# Altium PCB 移动无线控制.PcbDoc (part 4 of 4)
Units mil, origin at the board's own origin, x right, y up, seen from the top; angles counter-clockwise.
Board outline 17007.87 x 11459.7 mil, 4 copper layers (Top Layer, GND, S2, Bottom Layer), stack 30.634 mil thick; 703 components, 716 nets, 1756 pads, 483 vias.
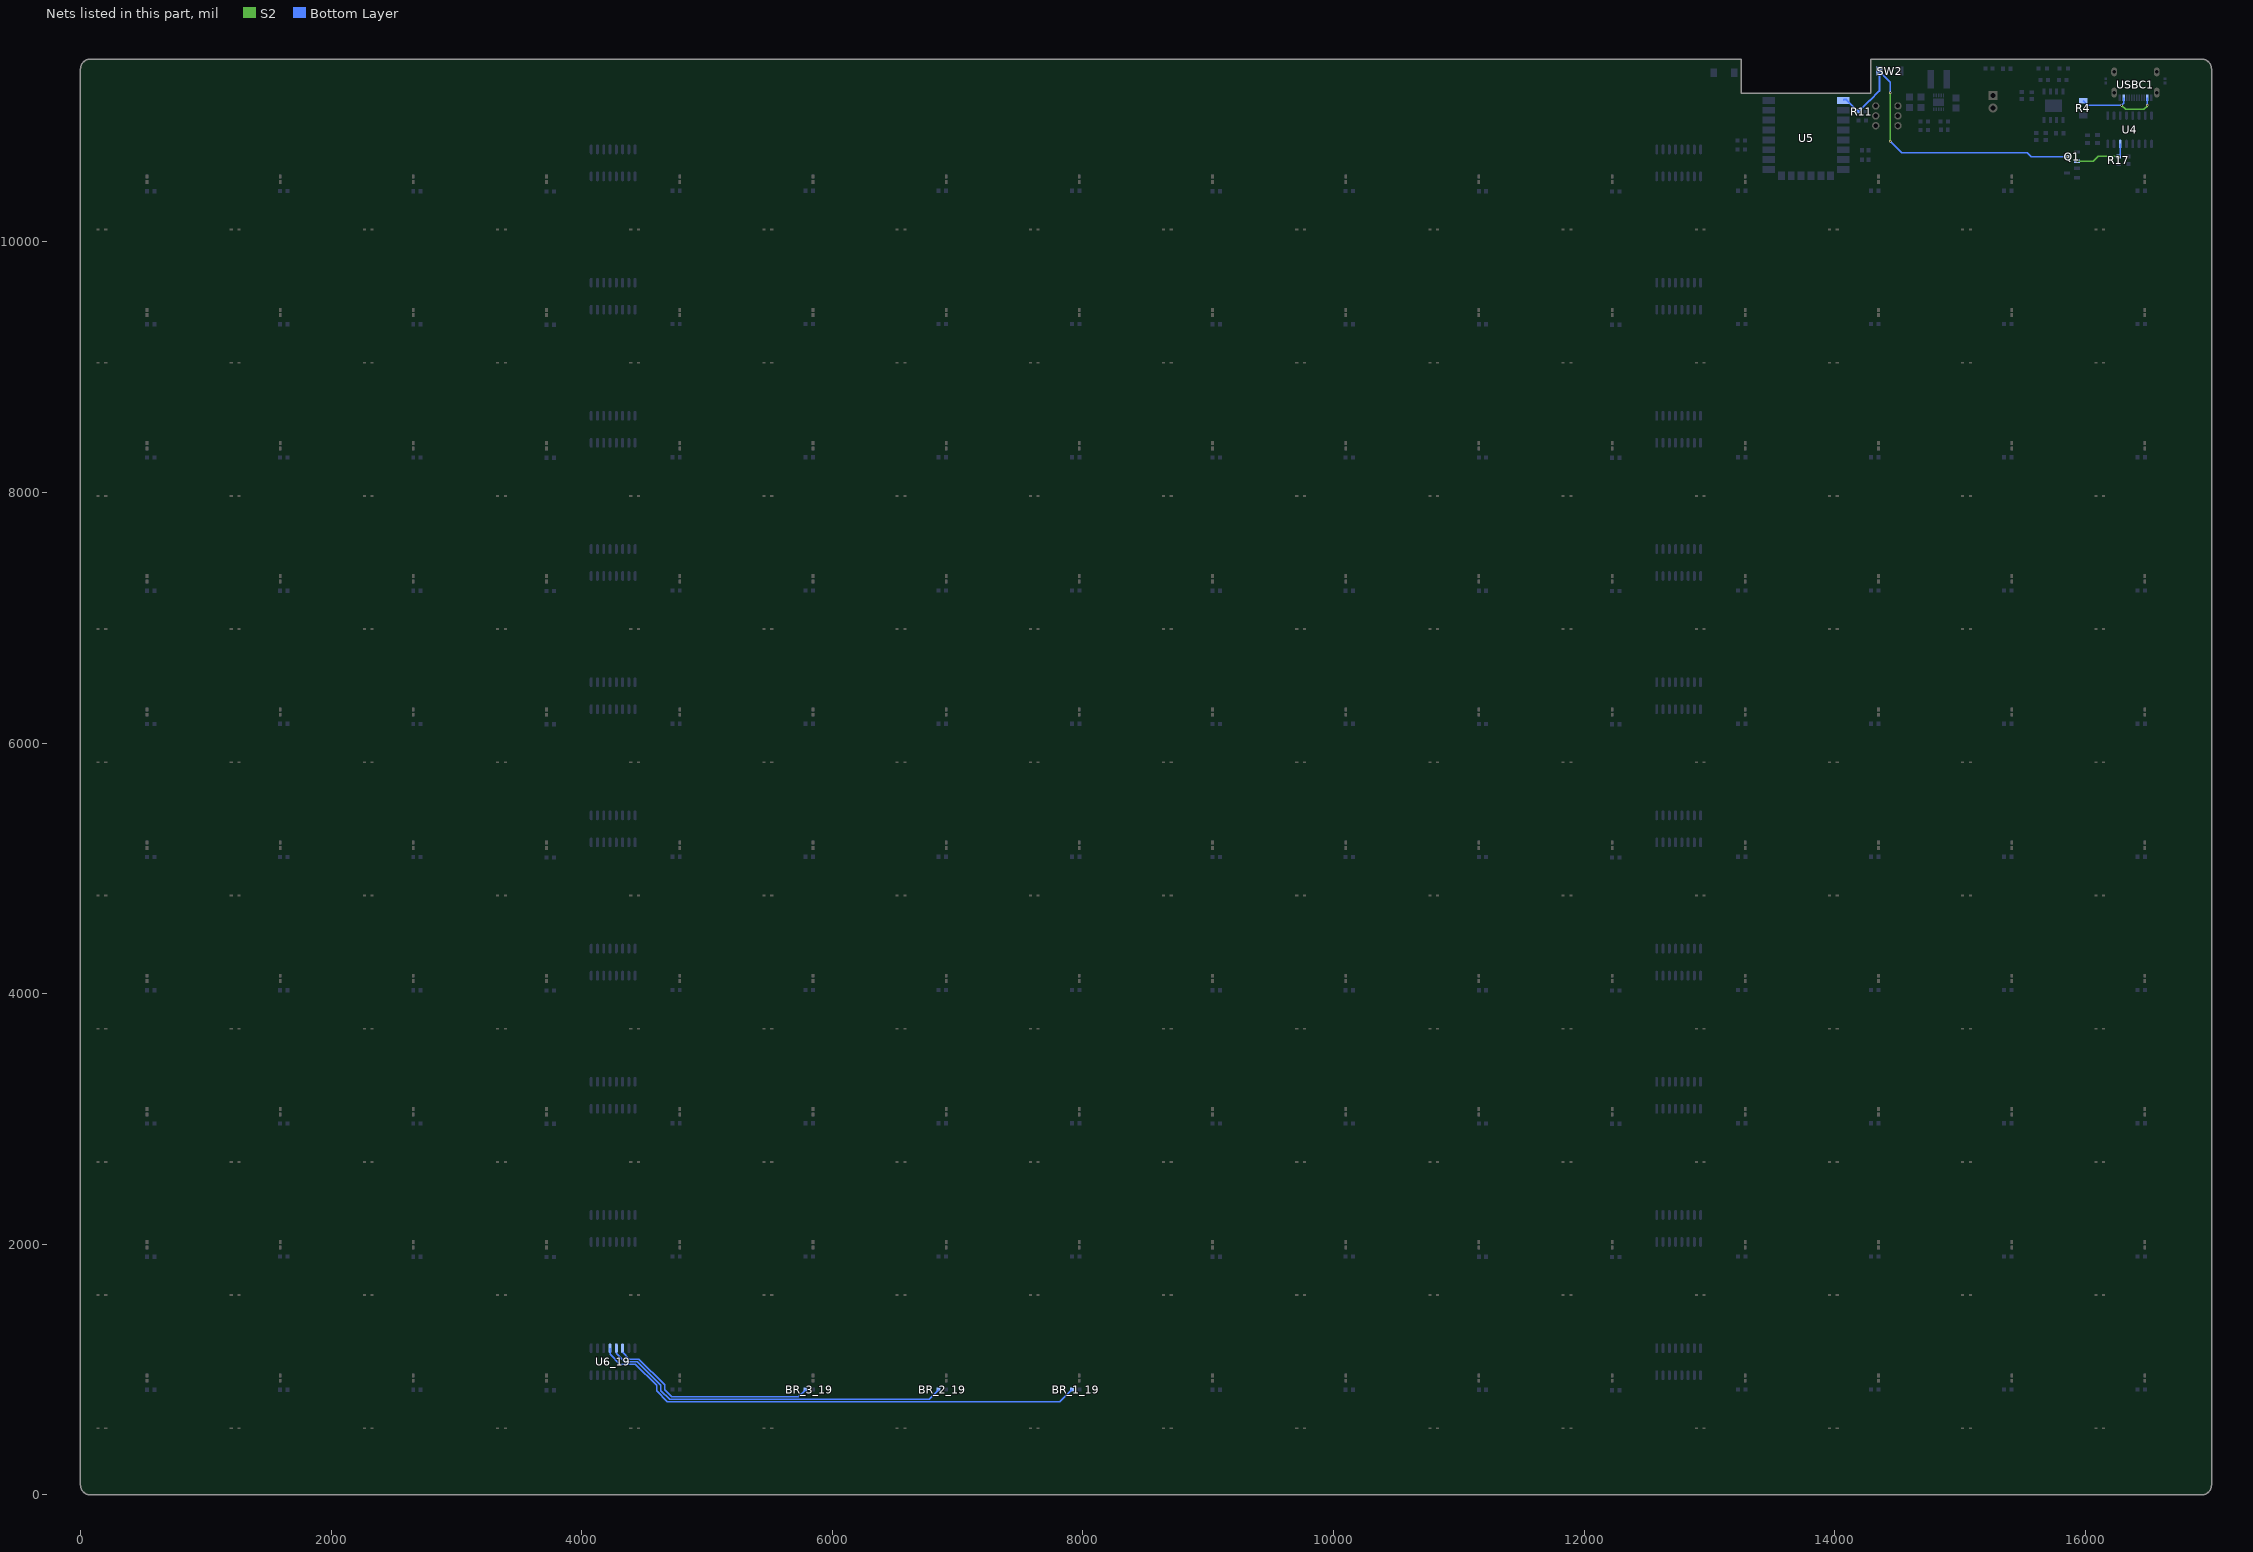
[diagram p6: the nets of this part, all layers, seen from the top]

## Via types
v1: diameter 19.68, hole 11.81, Top Layer to Bottom Layer, tented both sides, 320 vias
v2: diameter 17.72, hole 11.81, Top Layer to Bottom Layer, 146 vias
v3: diameter 19.68, hole 11.81, Top Layer to Bottom Layer, 17 vias

## Nets (pads, with @x,y where several pads share a name; then routed paths per layer and width w, separated by ;. In a path a pad name is that pad's centre, name@x,y a point inside that pad or via, vN(x,y) a via of type N, cw(c..) or ccw(c..) an arc to the next point about the centre after c; other vN are vias at no path point) (continued)
NewNet693: BR_3_19.2 U6_19.6 | length 1652.2
  Bottom Layer w10: U6_19.6@4326.16,1137.27 4380.16,1083.27 4457.26,1083.27 4661.56,878.97 4661.56,841.37 4718.86,784.07 5729.82,784.07 BR_3_19.2@5786.52,840.77
NewNet694: BR_2_19.2 U6_19.5 | length 2782.1
  Bottom Layer w10: 4276.16,1131.87 4344.36,1063.67 4444.16,1063.67 4632.06,875.77 4632.06,833.37 4701.06,764.37 6773.11,764.37 BR_2_19.2@6849.51,840.77
NewNet695: BR_1_19.2 U6_19.4 | length 3956.9
  Bottom Layer w10: U6_19.4@4226.16,1171.37 4226.16,1122.37 4304.86,1043.67 4428.66,1043.67 4598.86,873.47 4598.86,830.37 4684.66,744.57 7816.3,744.57 BR_1_19.2@7912.5,840.77
NewNet696: 
RST: Q1.3 R11.2 SW2.1 U5.1 | length 2614.3
  S2 w10: v3(14445.3,10805.3) v3(14445.3,11191)
  Bottom Layer w10: U5.1@14068.7,11129.6 U5.1@14074.9,11135.8 ; SW2.1@14357.21,11363.6 14445.3,11275.51 v3(14445.3,11191) ; v3(14445.3,10805.3) 14537.3,10713.3 15535.2,10713.3 15568.2,10680.3 v3(15855.93,10680.3)
  Bottom Layer w15: U5.1@14074.9,11135.8 14093.14,11135.8 R11.2@14188.44,11040.5 14276.34,11128.4 14280.3,11128.4 14357.21,11205.31 SW2.1@14357.21,11363.6
RTS#: Q1.2 R17.1 U4.14 | length 453.3
  S2 w10: v2(15934.67,10642.9) 16063,10642.9 16102.5,10682.4 16266.44,10682.4 v2(16266.8,10682.76)
  Bottom Layer w10: v2(16266.8,10682.76) 16279.3,10695.26 U4.14@16279.3,10782.21
VBUS: R4.1 USBC1.A4 USBC1.A9 | length 683
  S2 w10: v3(16289.3,11091.3) 16322.6,11058 16468.6,11058 16495.1,11084.5 v3(16495.1,11090.9)
  Bottom Layer w10: R4.1@15982.6,11126.7 16018,11091.3 v3(16289.3,11091.3) 16306.3,11108.3 USBC1.A4@16306.3,11150 ; v3(16495.1,11090.9) USBC1.A9@16495.1,11149.8
pads on no net: SW4.1 SW4.4 U4.7 U4.8 U4.9 U4.10 U4.11 U4.12 U4.15 U5.11 U5.17 U5.18 U5.19 U5.20 U5.21 U5.22 U6_1.9 U6_18.9 U6_19.14 U25.11 USBC1.0 USBC1.A8 USBC1.B8

## Polygon pours and split planes (outlines as drawn)
GND on GND "GND-2" (solid, remove dead copper, pour order 8): 18702.6,13136.8 18433.8,12868 18433.8,-1126.9 -1707.3,-1126.9 -2101.5,-1521.1 -2764.5,-858.1 -2764.5,13531
GND on Bottom Layer "GND-4" (solid, remove dead copper, pour order 10): 17591.6,12885.9 17591.6,-517.5 17878.4,-804.3 17842.5,-840.2 -1922.3,-840.2 -1922.3,12850 -2531.6,13459.3

## Keep-outs
Keep-Out Layer:
  circle w0.79: c16885.92,11337.11 r43.31
  circle w0.79: c122.59,11337.75 r43.31
  circle w0.79: c16885.28,121.95 r43.31
  circle w0.79: c121.95,122.39 r43.31
  lines w0.5: 0,78.74 ccw(c78.74,78.74) 78.74,0 16929.13,0 ccw(c16929.13,78.74) 17007.87,78.74 17007.87,11380.96 ccw(c16929.13,11380.96) 16929.13,11459.7 14288.15,11459.7 14288.15,11188.1 14091.3,11188.1 13451.3,11188.1 13254.45,11188.1 13254.45,11449.7 13254.45,11459.7 78.74,11459.7 ccw(c78.74,11380.96) 0,11380.96 0,78.74

## Other copper
Top Layer:
  drawing of 480 lines, arcs and shapes, not listed
Bottom Layer:
  region net NewNet318: 16462.6,10507.87 16462.6,10586.61 cw(c16476.38,10586.61) 16476.38,10600.39 cw(c16476.38,10586.61) 16490.16,10586.61 16490.16,10507.87
  region net NewNet298: 15399.61,10507.87 15399.61,10586.61 cw(c15413.39,10586.61) 15413.39,10600.39 cw(c15413.39,10586.61) 15427.17,10586.61 15427.17,10507.87
  region net NewNet278: 14336.61,10507.87 14336.61,10586.61 cw(c14350.39,10586.61) 14350.39,10600.39 cw(c14350.39,10586.61) 14364.17,10586.61 14364.17,10507.87
  region net NewNet258: 13273.62,10507.87 13273.62,10586.61 cw(c13287.4,10586.61) 13287.4,10600.39 cw(c13287.4,10586.61) 13301.18,10586.61 13301.18,10507.87
  region net NewNet238: 12211.42,10510.46 12211.42,10589.2 cw(c12225.2,10589.2) 12225.2,10602.98 cw(c12225.2,10589.2) 12238.98,10589.2 12238.98,10510.46
  region net NewNet219: 11147.64,10507.87 11147.64,10586.61 cw(c11161.42,10586.61) 11161.42,10600.39 cw(c11161.42,10586.61) 11175.2,10586.61 11175.2,10507.87
  region net NewNet199: 10084.65,10507.87 10084.65,10586.61 cw(c10098.43,10586.61) 10098.43,10600.39 cw(c10098.43,10586.61) 10112.2,10586.61 10112.2,10507.87
  region net NewNet179: 9021.65,10507.87 9021.65,10586.61 cw(c9035.43,10586.61) 9035.43,10600.39 cw(c9035.43,10586.61) 9049.21,10586.61 9049.21,10507.87
  region net NewNet319: 517.72,10507.87 517.72,10586.61 cw(c531.5,10586.61) 531.5,10600.39 cw(c531.5,10586.61) 545.28,10586.61 545.28,10507.87
  region net NewNet39: 1580.71,10507.87 1580.71,10586.61 cw(c1594.49,10586.61) 1594.49,10600.39 cw(c1594.49,10586.61) 1608.27,10586.61 1608.27,10507.87
  region net NewNet59: 2643.7,10507.87 2643.7,10586.61 cw(c2657.48,10586.61) 2657.48,10600.39 cw(c2657.48,10586.61) 2671.26,10586.61 2671.26,10507.87
  region net NewNet79: 3707.48,10510.46 3707.48,10589.2 cw(c3721.26,10589.2) 3721.26,10602.98 cw(c3721.26,10589.2) 3735.04,10589.2 3735.04,10510.46
  region net NewNet99: 4769.69,10507.87 4769.69,10586.61 cw(c4783.46,10586.61) 4783.46,10600.39 cw(c4783.46,10586.61) 4797.24,10586.61 4797.24,10507.87
  region net NewNet119: 5832.68,10507.87 5832.68,10586.61 cw(c5846.46,10586.61) 5846.46,10600.39 cw(c5846.46,10586.61) 5860.24,10586.61 5860.24,10507.87
  region net NewNet139: 6895.67,10507.87 6895.67,10586.61 cw(c6909.45,10586.61) 6909.45,10600.39 cw(c6909.45,10586.61) 6923.23,10586.61 6923.23,10507.87
  region net NewNet159: 7958.66,10507.87 7958.66,10586.61 cw(c7972.44,10586.61) 7972.44,10600.39 cw(c7972.44,10586.61) 7986.22,10586.61 7986.22,10507.87
  region net NewNet177: 9021.65,9444.88 9021.65,9523.62 cw(c9035.43,9523.62) 9035.43,9537.4 cw(c9035.43,9523.62) 9049.21,9523.62 9049.21,9444.88
  region net NewNet197: 10084.65,9444.88 10084.65,9523.62 cw(c10098.43,9523.62) 10098.43,9537.4 cw(c10098.43,9523.62) 10112.2,9523.62 10112.2,9444.88
  region net NewNet217: 11147.64,9444.88 11147.64,9523.62 cw(c11161.42,9523.62) 11161.42,9537.4 cw(c11161.42,9523.62) 11175.2,9523.62 11175.2,9444.88
  region net NewNet237: 12211.42,9447.47 12211.42,9526.21 cw(c12225.2,9526.21) 12225.2,9539.99 cw(c12225.2,9526.21) 12238.98,9526.21 12238.98,9447.47
  region net NewNet256: 13273.62,9444.88 13273.62,9523.62 cw(c13287.4,9523.62) 13287.4,9537.4 cw(c13287.4,9523.62) 13301.18,9523.62 13301.18,9444.88
  region net NewNet276: 14336.61,9444.88 14336.61,9523.62 cw(c14350.39,9523.62) 14350.39,9537.4 cw(c14350.39,9523.62) 14364.17,9523.62 14364.17,9444.88
  region net NewNet296: 15399.61,9444.88 15399.61,9523.62 cw(c15413.39,9523.62) 15413.39,9537.4 cw(c15413.39,9523.62) 15427.17,9523.62 15427.17,9444.88
  region net NewNet316: 16462.6,9444.88 16462.6,9523.62 cw(c16476.38,9523.62) 16476.38,9537.4 cw(c16476.38,9523.62) 16490.16,9523.62 16490.16,9444.88
  region net NewNet3: 517.72,9444.88 517.72,9523.62 cw(c531.5,9523.62) 531.5,9537.4 cw(c531.5,9523.62) 545.28,9523.62 545.28,9444.88
  region net NewNet37: 1580.71,9444.88 1580.71,9523.62 cw(c1594.49,9523.62) 1594.49,9537.4 cw(c1594.49,9523.62) 1608.27,9523.62 1608.27,9444.88
  region net NewNet57: 2643.7,9444.88 2643.7,9523.62 cw(c2657.48,9523.62) 2657.48,9537.4 cw(c2657.48,9523.62) 2671.26,9523.62 2671.26,9444.88
  region net NewNet77: 3707.48,9447.47 3707.48,9526.21 cw(c3721.26,9526.21) 3721.26,9539.99 cw(c3721.26,9526.21) 3735.04,9526.21 3735.04,9447.47
  region net NewNet97: 4769.69,9444.88 4769.69,9523.62 cw(c4783.46,9523.62) 4783.46,9537.4 cw(c4783.46,9523.62) 4797.24,9523.62 4797.24,9444.88
  region net NewNet117: 5832.68,9444.88 5832.68,9523.62 cw(c5846.46,9523.62) 5846.46,9537.4 cw(c5846.46,9523.62) 5860.24,9523.62 5860.24,9444.88
  region net NewNet137: 6895.67,9444.88 6895.67,9523.62 cw(c6909.45,9523.62) 6909.45,9537.4 cw(c6909.45,9523.62) 6923.23,9523.62 6923.23,9444.88
  region net NewNet157: 7958.66,9444.88 7958.66,9523.62 cw(c7972.44,9523.62) 7972.44,9537.4 cw(c7972.44,9523.62) 7986.22,9523.62 7986.22,9444.88
  region net NewNet176: 9021.65,8381.89 9021.65,8460.63 cw(c9035.43,8460.63) 9035.43,8474.41 cw(c9035.43,8460.63) 9049.21,8460.63 9049.21,8381.89
  region net NewNet196: 10084.65,8381.89 10084.65,8460.63 cw(c10098.43,8460.63) 10098.43,8474.41 cw(c10098.43,8460.63) 10112.2,8460.63 10112.2,8381.89
  region net NewNet216: 11147.64,8381.89 11147.64,8460.63 cw(c11161.42,8460.63) 11161.42,8474.41 cw(c11161.42,8460.63) 11175.2,8460.63 11175.2,8381.89
  region net NewNet236: 12211.42,8384.48 12211.42,8463.22 cw(c12225.2,8463.22) 12225.2,8477 cw(c12225.2,8463.22) 12238.98,8463.22 12238.98,8384.48
  region net NewNet255: 13273.62,8381.89 13273.62,8460.63 cw(c13287.4,8460.63) 13287.4,8474.41 cw(c13287.4,8460.63) 13301.18,8460.63 13301.18,8381.89
  region net NewNet275: 14336.61,8381.89 14336.61,8460.63 cw(c14350.39,8460.63) 14350.39,8474.41 cw(c14350.39,8460.63) 14364.17,8460.63 14364.17,8381.89
  region net NewNet295: 15399.61,8381.89 15399.61,8460.63 cw(c15413.39,8460.63) 15413.39,8474.41 cw(c15413.39,8460.63) 15427.17,8460.63 15427.17,8381.89
  region net NewNet315: 16462.6,8381.89 16462.6,8460.63 cw(c16476.38,8460.63) 16476.38,8474.41 cw(c16476.38,8460.63) 16490.16,8460.63 16490.16,8381.89
  region net NewNet5: 517.72,8381.89 517.72,8460.63 cw(c531.5,8460.63) 531.5,8474.41 cw(c531.5,8460.63) 545.28,8460.63 545.28,8381.89
  region net NewNet36: 1580.71,8381.89 1580.71,8460.63 cw(c1594.49,8460.63) 1594.49,8474.41 cw(c1594.49,8460.63) 1608.27,8460.63 1608.27,8381.89
  region net NewNet56: 2643.7,8381.89 2643.7,8460.63 cw(c2657.48,8460.63) 2657.48,8474.41 cw(c2657.48,8460.63) 2671.26,8460.63 2671.26,8381.89
  region net NewNet76: 3707.48,8384.48 3707.48,8463.22 cw(c3721.26,8463.22) 3721.26,8477 cw(c3721.26,8463.22) 3735.04,8463.22 3735.04,8384.48
  region net NewNet96: 4769.69,8381.89 4769.69,8460.63 cw(c4783.46,8460.63) 4783.46,8474.41 cw(c4783.46,8460.63) 4797.24,8460.63 4797.24,8381.89
  region net NewNet116: 5832.68,8381.89 5832.68,8460.63 cw(c5846.46,8460.63) 5846.46,8474.41 cw(c5846.46,8460.63) 5860.24,8460.63 5860.24,8381.89
  region net NewNet136: 6895.67,8381.89 6895.67,8460.63 cw(c6909.45,8460.63) 6909.45,8474.41 cw(c6909.45,8460.63) 6923.23,8460.63 6923.23,8381.89
  region net NewNet156: 7958.66,8381.89 7958.66,8460.63 cw(c7972.44,8460.63) 7972.44,8474.41 cw(c7972.44,8460.63) 7986.22,8460.63 7986.22,8381.89
  region net NewNet175: 9021.65,7318.9 9021.65,7397.64 cw(c9035.43,7397.64) 9035.43,7411.42 cw(c9035.43,7397.64) 9049.21,7397.64 9049.21,7318.9
  region net NewNet195: 10084.65,7318.9 10084.65,7397.64 cw(c10098.43,7397.64) 10098.43,7411.42 cw(c10098.43,7397.64) 10112.2,7397.64 10112.2,7318.9
  region net NewNet215: 11147.64,7318.9 11147.64,7397.64 cw(c11161.42,7397.64) 11161.42,7411.42 cw(c11161.42,7397.64) 11175.2,7397.64 11175.2,7318.9
  region net NewNet235: 12211.42,7321.48 12211.42,7400.22 cw(c12225.2,7400.22) 12225.2,7414 cw(c12225.2,7400.22) 12238.98,7400.22 12238.98,7321.48
  region net NewNet254: 13273.62,7318.9 13273.62,7397.64 cw(c13287.4,7397.64) 13287.4,7411.42 cw(c13287.4,7397.64) 13301.18,7397.64 13301.18,7318.9
  region net NewNet274: 14336.61,7318.9 14336.61,7397.64 cw(c14350.39,7397.64) 14350.39,7411.42 cw(c14350.39,7397.64) 14364.17,7397.64 14364.17,7318.9
  region net NewNet294: 15399.61,7318.9 15399.61,7397.64 cw(c15413.39,7397.64) 15413.39,7411.42 cw(c15413.39,7397.64) 15427.17,7397.64 15427.17,7318.9
  region net NewNet314: 16462.6,7318.9 16462.6,7397.64 cw(c16476.38,7397.64) 16476.38,7411.42 cw(c16476.38,7397.64) 16490.16,7397.64 16490.16,7318.9
  region net NewNet7: 517.72,7318.9 517.72,7397.64 cw(c531.5,7397.64) 531.5,7411.42 cw(c531.5,7397.64) 545.28,7397.64 545.28,7318.9
  region net NewNet35: 1580.71,7318.9 1580.71,7397.64 cw(c1594.49,7397.64) 1594.49,7411.42 cw(c1594.49,7397.64) 1608.27,7397.64 1608.27,7318.9
  region net NewNet55: 2643.7,7318.9 2643.7,7397.64 cw(c2657.48,7397.64) 2657.48,7411.42 cw(c2657.48,7397.64) 2671.26,7397.64 2671.26,7318.9
  region net NewNet75: 3707.48,7321.48 3707.48,7400.22 cw(c3721.26,7400.22) 3721.26,7414 cw(c3721.26,7400.22) 3735.04,7400.22 3735.04,7321.48
  region net NewNet95: 4769.69,7318.9 4769.69,7397.64 cw(c4783.46,7397.64) 4783.46,7411.42 cw(c4783.46,7397.64) 4797.24,7397.64 4797.24,7318.9
  region net NewNet115: 5832.68,7318.9 5832.68,7397.64 cw(c5846.46,7397.64) 5846.46,7411.42 cw(c5846.46,7397.64) 5860.24,7397.64 5860.24,7318.9
  region net NewNet135: 6895.67,7318.9 6895.67,7397.64 cw(c6909.45,7397.64) 6909.45,7411.42 cw(c6909.45,7397.64) 6923.23,7397.64 6923.23,7318.9
  region net NewNet155: 7958.66,7318.9 7958.66,7397.64 cw(c7972.44,7397.64) 7972.44,7411.42 cw(c7972.44,7397.64) 7986.22,7397.64 7986.22,7318.9
  region net NewNet174: 9021.65,6255.91 9021.65,6334.65 cw(c9035.43,6334.65) 9035.43,6348.43 cw(c9035.43,6334.65) 9049.21,6334.65 9049.21,6255.91
  region net NewNet194: 10084.65,6255.91 10084.65,6334.65 cw(c10098.43,6334.65) 10098.43,6348.43 cw(c10098.43,6334.65) 10112.2,6334.65 10112.2,6255.91
  region net NewNet214: 11147.64,6255.91 11147.64,6334.65 cw(c11161.42,6334.65) 11161.42,6348.43 cw(c11161.42,6334.65) 11175.2,6334.65 11175.2,6255.91
  region net NewNet234: 12211.42,6258.49 12211.42,6337.23 cw(c12225.2,6337.23) 12225.2,6351.01 cw(c12225.2,6337.23) 12238.98,6337.23 12238.98,6258.49
  region net NewNet253: 13273.62,6255.91 13273.62,6334.65 cw(c13287.4,6334.65) 13287.4,6348.43 cw(c13287.4,6334.65) 13301.18,6334.65 13301.18,6255.91
  region net NewNet273: 14336.61,6255.91 14336.61,6334.65 cw(c14350.39,6334.65) 14350.39,6348.43 cw(c14350.39,6334.65) 14364.17,6334.65 14364.17,6255.91
  region net NewNet293: 15399.61,6255.91 15399.61,6334.65 cw(c15413.39,6334.65) 15413.39,6348.43 cw(c15413.39,6334.65) 15427.17,6334.65 15427.17,6255.91
  region net NewNet313: 16462.6,6255.91 16462.6,6334.65 cw(c16476.38,6334.65) 16476.38,6348.43 cw(c16476.38,6334.65) 16490.16,6334.65 16490.16,6255.91
  region net NewNet9: 517.72,6255.91 517.72,6334.65 cw(c531.5,6334.65) 531.5,6348.43 cw(c531.5,6334.65) 545.28,6334.65 545.28,6255.91
  region net NewNet34: 1580.71,6255.91 1580.71,6334.65 cw(c1594.49,6334.65) 1594.49,6348.43 cw(c1594.49,6334.65) 1608.27,6334.65 1608.27,6255.91
  region net NewNet54: 2643.7,6255.91 2643.7,6334.65 cw(c2657.48,6334.65) 2657.48,6348.43 cw(c2657.48,6334.65) 2671.26,6334.65 2671.26,6255.91
  region net NewNet74: 3707.48,6258.49 3707.48,6337.23 cw(c3721.26,6337.23) 3721.26,6351.01 cw(c3721.26,6337.23) 3735.04,6337.23 3735.04,6258.49
  region net NewNet94: 4769.69,6255.91 4769.69,6334.65 cw(c4783.46,6334.65) 4783.46,6348.43 cw(c4783.46,6334.65) 4797.24,6334.65 4797.24,6255.91
  region net NewNet114: 5832.68,6255.91 5832.68,6334.65 cw(c5846.46,6334.65) 5846.46,6348.43 cw(c5846.46,6334.65) 5860.24,6334.65 5860.24,6255.91
  region net NewNet134: 6895.67,6255.91 6895.67,6334.65 cw(c6909.45,6334.65) 6909.45,6348.43 cw(c6909.45,6334.65) 6923.23,6334.65 6923.23,6255.91
  region net NewNet154: 7958.66,6255.91 7958.66,6334.65 cw(c7972.44,6334.65) 7972.44,6348.43 cw(c7972.44,6334.65) 7986.22,6334.65 7986.22,6255.91
  region net NewNet173: 9021.65,5192.91 9021.65,5271.65 cw(c9035.43,5271.65) 9035.43,5285.43 cw(c9035.43,5271.65) 9049.21,5271.65 9049.21,5192.91
  region net NewNet193: 10084.65,5192.91 10084.65,5271.65 cw(c10098.43,5271.65) 10098.43,5285.43 cw(c10098.43,5271.65) 10112.2,5271.65 10112.2,5192.91
  region net NewNet213: 11147.64,5192.91 11147.64,5271.65 cw(c11161.42,5271.65) 11161.42,5285.43 cw(c11161.42,5271.65) 11175.2,5271.65 11175.2,5192.91
  region net NewNet233: 12211.42,5195.5 12211.42,5274.24 cw(c12225.2,5274.24) 12225.2,5288.02 cw(c12225.2,5274.24) 12238.98,5274.24 12238.98,5195.5
  region net NewNet252: 13273.62,5192.91 13273.62,5271.65 cw(c13287.4,5271.65) 13287.4,5285.43 cw(c13287.4,5271.65) 13301.18,5271.65 13301.18,5192.91
  region net NewNet272: 14336.61,5192.91 14336.61,5271.65 cw(c14350.39,5271.65) 14350.39,5285.43 cw(c14350.39,5271.65) 14364.17,5271.65 14364.17,5192.91
  region net NewNet292: 15399.61,5192.91 15399.61,5271.65 cw(c15413.39,5271.65) 15413.39,5285.43 cw(c15413.39,5271.65) 15427.17,5271.65 15427.17,5192.91
  region net NewNet312: 16462.6,5192.91 16462.6,5271.65 cw(c16476.38,5271.65) 16476.38,5285.43 cw(c16476.38,5271.65) 16490.16,5271.65 16490.16,5192.91
  region net NewNet11: 517.72,5192.91 517.72,5271.65 cw(c531.5,5271.65) 531.5,5285.43 cw(c531.5,5271.65) 545.28,5271.65 545.28,5192.91
  region net NewNet33: 1580.71,5192.91 1580.71,5271.65 cw(c1594.49,5271.65) 1594.49,5285.43 cw(c1594.49,5271.65) 1608.27,5271.65 1608.27,5192.91
  region net NewNet53: 2643.7,5192.91 2643.7,5271.65 cw(c2657.48,5271.65) 2657.48,5285.43 cw(c2657.48,5271.65) 2671.26,5271.65 2671.26,5192.91
  region net NewNet73: 3707.48,5195.5 3707.48,5274.24 cw(c3721.26,5274.24) 3721.26,5288.02 cw(c3721.26,5274.24) 3735.04,5274.24 3735.04,5195.5
  region net NewNet93: 4769.69,5192.91 4769.69,5271.65 cw(c4783.46,5271.65) 4783.46,5285.43 cw(c4783.46,5271.65) 4797.24,5271.65 4797.24,5192.91
  region net NewNet113: 5832.68,5192.91 5832.68,5271.65 cw(c5846.46,5271.65) 5846.46,5285.43 cw(c5846.46,5271.65) 5860.24,5271.65 5860.24,5192.91
  region net NewNet133: 6895.67,5192.91 6895.67,5271.65 cw(c6909.45,5271.65) 6909.45,5285.43 cw(c6909.45,5271.65) 6923.23,5271.65 6923.23,5192.91
  region net NewNet153: 7958.66,5192.91 7958.66,5271.65 cw(c7972.44,5271.65) 7972.44,5285.43 cw(c7972.44,5271.65) 7986.22,5271.65 7986.22,5192.91
  region net NewNet172: 9021.65,4129.92 9021.65,4208.66 cw(c9035.43,4208.66) 9035.43,4222.44 cw(c9035.43,4208.66) 9049.21,4208.66 9049.21,4129.92
  region net NewNet192: 10084.65,4129.92 10084.65,4208.66 cw(c10098.43,4208.66) 10098.43,4222.44 cw(c10098.43,4208.66) 10112.2,4208.66 10112.2,4129.92
  region net NewNet212: 11147.64,4129.92 11147.64,4208.66 cw(c11161.42,4208.66) 11161.42,4222.44 cw(c11161.42,4208.66) 11175.2,4208.66 11175.2,4129.92
  region net NewNet232: 12211.42,4132.51 12211.42,4211.25 cw(c12225.2,4211.25) 12225.2,4225.03 cw(c12225.2,4211.25) 12238.98,4211.25 12238.98,4132.51
  region net NewNet251: 13273.62,4129.92 13273.62,4208.66 cw(c13287.4,4208.66) 13287.4,4222.44 cw(c13287.4,4208.66) 13301.18,4208.66 13301.18,4129.92
  region net NewNet271: 14336.61,4129.92 14336.61,4208.66 cw(c14350.39,4208.66) 14350.39,4222.44 cw(c14350.39,4208.66) 14364.17,4208.66 14364.17,4129.92
  region net NewNet291: 15399.61,4129.92 15399.61,4208.66 cw(c15413.39,4208.66) 15413.39,4222.44 cw(c15413.39,4208.66) 15427.17,4208.66 15427.17,4129.92
  region net NewNet311: 16462.6,4129.92 16462.6,4208.66 cw(c16476.38,4208.66) 16476.38,4222.44 cw(c16476.38,4208.66) 16490.16,4208.66 16490.16,4129.92
  region net NewNet13: 517.72,4129.92 517.72,4208.66 cw(c531.5,4208.66) 531.5,4222.44 cw(c531.5,4208.66) 545.28,4208.66 545.28,4129.92
  region net NewNet32: 1580.71,4129.92 1580.71,4208.66 cw(c1594.49,4208.66) 1594.49,4222.44 cw(c1594.49,4208.66) 1608.27,4208.66 1608.27,4129.92
  region net NewNet52: 2643.7,4129.92 2643.7,4208.66 cw(c2657.48,4208.66) 2657.48,4222.44 cw(c2657.48,4208.66) 2671.26,4208.66 2671.26,4129.92
  region net NewNet72: 3707.48,4132.51 3707.48,4211.25 cw(c3721.26,4211.25) 3721.26,4225.03 cw(c3721.26,4211.25) 3735.04,4211.25 3735.04,4132.51
  region net NewNet92: 4769.69,4129.92 4769.69,4208.66 cw(c4783.46,4208.66) 4783.46,4222.44 cw(c4783.46,4208.66) 4797.24,4208.66 4797.24,4129.92
  region net NewNet112: 5832.68,4129.92 5832.68,4208.66 cw(c5846.46,4208.66) 5846.46,4222.44 cw(c5846.46,4208.66) 5860.24,4208.66 5860.24,4129.92
  region net NewNet132: 6895.67,4129.92 6895.67,4208.66 cw(c6909.45,4208.66) 6909.45,4222.44 cw(c6909.45,4208.66) 6923.23,4208.66 6923.23,4129.92
  region net NewNet152: 7958.66,4129.92 7958.66,4208.66 cw(c7972.44,4208.66) 7972.44,4222.44 cw(c7972.44,4208.66) 7986.22,4208.66 7986.22,4129.92
  region net NewNet171: 9021.65,3066.93 9021.65,3145.67 cw(c9035.43,3145.67) 9035.43,3159.45 cw(c9035.43,3145.67) 9049.21,3145.67 9049.21,3066.93
  region net NewNet191: 10084.65,3066.93 10084.65,3145.67 cw(c10098.43,3145.67) 10098.43,3159.45 cw(c10098.43,3145.67) 10112.2,3145.67 10112.2,3066.93
  region net NewNet211: 11147.64,3066.93 11147.64,3145.67 cw(c11161.42,3145.67) 11161.42,3159.45 cw(c11161.42,3145.67) 11175.2,3145.67 11175.2,3066.93
  region net NewNet231: 12211.42,3069.51 12211.42,3148.26 cw(c12225.2,3148.26) 12225.2,3162.03 cw(c12225.2,3148.26) 12238.98,3148.26 12238.98,3069.51
  region net NewNet250: 13273.62,3066.93 13273.62,3145.67 cw(c13287.4,3145.67) 13287.4,3159.45 cw(c13287.4,3145.67) 13301.18,3145.67 13301.18,3066.93
  region net NewNet270: 14336.61,3066.93 14336.61,3145.67 cw(c14350.39,3145.67) 14350.39,3159.45 cw(c14350.39,3145.67) 14364.17,3145.67 14364.17,3066.93
  region net NewNet290: 15399.61,3066.93 15399.61,3145.67 cw(c15413.39,3145.67) 15413.39,3159.45 cw(c15413.39,3145.67) 15427.17,3145.67 15427.17,3066.93
  region net NewNet310: 16462.6,3066.93 16462.6,3145.67 cw(c16476.38,3145.67) 16476.38,3159.45 cw(c16476.38,3145.67) 16490.16,3145.67 16490.16,3066.93
  region net NewNet15: 517.72,3066.93 517.72,3145.67 cw(c531.5,3145.67) 531.5,3159.45 cw(c531.5,3145.67) 545.28,3145.67 545.28,3066.93
  region net NewNet31: 1580.71,3066.93 1580.71,3145.67 cw(c1594.49,3145.67) 1594.49,3159.45 cw(c1594.49,3145.67) 1608.27,3145.67 1608.27,3066.93
  region net NewNet51: 2643.7,3066.93 2643.7,3145.67 cw(c2657.48,3145.67) 2657.48,3159.45 cw(c2657.48,3145.67) 2671.26,3145.67 2671.26,3066.93
  region net NewNet71: 3707.48,3069.51 3707.48,3148.26 cw(c3721.26,3148.26) 3721.26,3162.03 cw(c3721.26,3148.26) 3735.04,3148.26 3735.04,3069.51
  region net NewNet91: 4769.69,3066.93 4769.69,3145.67 cw(c4783.46,3145.67) 4783.46,3159.45 cw(c4783.46,3145.67) 4797.24,3145.67 4797.24,3066.93
  region net NewNet111: 5832.68,3066.93 5832.68,3145.67 cw(c5846.46,3145.67) 5846.46,3159.45 cw(c5846.46,3145.67) 5860.24,3145.67 5860.24,3066.93
  region net NewNet131: 6895.67,3066.93 6895.67,3145.67 cw(c6909.45,3145.67) 6909.45,3159.45 cw(c6909.45,3145.67) 6923.23,3145.67 6923.23,3066.93
  region net NewNet151: 7958.66,3066.93 7958.66,3145.67 cw(c7972.44,3145.67) 7972.44,3159.45 cw(c7972.44,3145.67) 7986.22,3145.67 7986.22,3066.93
  region net NewNet170: 9021.65,2003.94 9021.65,2082.68 cw(c9035.43,2082.68) 9035.43,2096.46 cw(c9035.43,2082.68) 9049.21,2082.68 9049.21,2003.94
  region net NewNet190: 10084.65,2003.94 10084.65,2082.68 cw(c10098.43,2082.68) 10098.43,2096.46 cw(c10098.43,2082.68) 10112.2,2082.68 10112.2,2003.94
  region net NewNet210: 11147.64,2003.94 11147.64,2082.68 cw(c11161.42,2082.68) 11161.42,2096.46 cw(c11161.42,2082.68) 11175.2,2082.68 11175.2,2003.94
  region net NewNet230: 12211.42,2006.52 12211.42,2085.26 cw(c12225.2,2085.26) 12225.2,2099.04 cw(c12225.2,2085.26) 12238.98,2085.26 12238.98,2006.52
  region net NewNet249: 13273.62,2003.94 13273.62,2082.68 cw(c13287.4,2082.68) 13287.4,2096.46 cw(c13287.4,2082.68) 13301.18,2082.68 13301.18,2003.94
  region net NewNet269: 14336.61,2003.94 14336.61,2082.68 cw(c14350.39,2082.68) 14350.39,2096.46 cw(c14350.39,2082.68) 14364.17,2082.68 14364.17,2003.94
  region net NewNet289: 15399.61,2003.94 15399.61,2082.68 cw(c15413.39,2082.68) 15413.39,2096.46 cw(c15413.39,2082.68) 15427.17,2082.68 15427.17,2003.94
  region net NewNet309: 16462.6,2003.94 16462.6,2082.68 cw(c16476.38,2082.68) 16476.38,2096.46 cw(c16476.38,2082.68) 16490.16,2082.68 16490.16,2003.94
  region net NewNet17: 517.72,2003.94 517.72,2082.68 cw(c531.5,2082.68) 531.5,2096.46 cw(c531.5,2082.68) 545.28,2082.68 545.28,2003.94
  region net NewNet30: 1580.71,2003.94 1580.71,2082.68 cw(c1594.49,2082.68) 1594.49,2096.46 cw(c1594.49,2082.68) 1608.27,2082.68 1608.27,2003.94
  region net NewNet50: 2643.7,2003.94 2643.7,2082.68 cw(c2657.48,2082.68) 2657.48,2096.46 cw(c2657.48,2082.68) 2671.26,2082.68 2671.26,2003.94
  region net NewNet70: 3707.48,2006.52 3707.48,2085.26 cw(c3721.26,2085.26) 3721.26,2099.04 cw(c3721.26,2085.26) 3735.04,2085.26 3735.04,2006.52
  region net NewNet90: 4769.69,2003.94 4769.69,2082.68 cw(c4783.46,2082.68) 4783.46,2096.46 cw(c4783.46,2082.68) 4797.24,2082.68 4797.24,2003.94
  region net NewNet110: 5832.68,2003.94 5832.68,2082.68 cw(c5846.46,2082.68) 5846.46,2096.46 cw(c5846.46,2082.68) 5860.24,2082.68 5860.24,2003.94
  region net NewNet130: 6895.67,2003.94 6895.67,2082.68 cw(c6909.45,2082.68) 6909.45,2096.46 cw(c6909.45,2082.68) 6923.23,2082.68 6923.23,2003.94
  region net NewNet150: 7958.66,2003.94 7958.66,2082.68 cw(c7972.44,2082.68) 7972.44,2096.46 cw(c7972.44,2082.68) 7986.22,2082.68 7986.22,2003.94
  region net NewNet169: 9021.65,940.94 9021.65,1019.68 cw(c9035.43,1019.68) 9035.43,1033.46 cw(c9035.43,1019.68) 9049.21,1019.68 9049.21,940.94
  region net NewNet189: 10084.65,940.94 10084.65,1019.68 cw(c10098.43,1019.68) 10098.43,1033.46 cw(c10098.43,1019.68) 10112.2,1019.68 10112.2,940.94
  region net NewNet209: 11147.64,940.94 11147.64,1019.68 cw(c11161.42,1019.68) 11161.42,1033.46 cw(c11161.42,1019.68) 11175.2,1019.68 11175.2,940.94
  region net NewNet229: 12211.42,943.53 12211.42,1022.27 cw(c12225.2,1022.27) 12225.2,1036.05 cw(c12225.2,1022.27) 12238.98,1022.27 12238.98,943.53
  region net NewNet248: 13273.62,940.94 13273.62,1019.68 cw(c13287.4,1019.68) 13287.4,1033.46 cw(c13287.4,1019.68) 13301.18,1019.68 13301.18,940.94
  region net NewNet268: 14336.61,940.94 14336.61,1019.68 cw(c14350.39,1019.68) 14350.39,1033.46 cw(c14350.39,1019.68) 14364.17,1019.68 14364.17,940.94
  region net NewNet288: 15399.61,940.94 15399.61,1019.68 cw(c15413.39,1019.68) 15413.39,1033.46 cw(c15413.39,1019.68) 15427.17,1019.68 15427.17,940.94
  region net NewNet308: 16462.6,940.94 16462.6,1019.68 cw(c16476.38,1019.68) 16476.38,1033.46 cw(c16476.38,1019.68) 16490.16,1019.68 16490.16,940.94
  region net NewNet19: 517.72,940.94 517.72,1019.68 cw(c531.5,1019.68) 531.5,1033.46 cw(c531.5,1019.68) 545.28,1019.68 545.28,940.94
  region net NewNet29: 1580.71,940.94 1580.71,1019.68 cw(c1594.49,1019.68) 1594.49,1033.46 cw(c1594.49,1019.68) 1608.27,1019.68 1608.27,940.94
  region net NewNet49: 2643.7,940.94 2643.7,1019.68 cw(c2657.48,1019.68) 2657.48,1033.46 cw(c2657.48,1019.68) 2671.26,1019.68 2671.26,940.94
  region net NewNet69: 3707.48,943.53 3707.48,1022.27 cw(c3721.26,1022.27) 3721.26,1036.05 cw(c3721.26,1022.27) 3735.04,1022.27 3735.04,943.53
  region net NewNet89: 4769.69,940.94 4769.69,1019.68 cw(c4783.46,1019.68) 4783.46,1033.46 cw(c4783.46,1019.68) 4797.24,1019.68 4797.24,940.94
  region net NewNet109: 5832.68,940.94 5832.68,1019.68 cw(c5846.46,1019.68) 5846.46,1033.46 cw(c5846.46,1019.68) 5860.24,1019.68 5860.24,940.94
  region net NewNet129: 6895.67,940.94 6895.67,1019.68 cw(c6909.45,1019.68) 6909.45,1033.46 cw(c6909.45,1019.68) 6923.23,1019.68 6923.23,940.94
  region net NewNet149: 7958.66,940.94 7958.66,1019.68 cw(c7972.44,1019.68) 7972.44,1033.46 cw(c7972.44,1019.68) 7986.22,1019.68 7986.22,940.94

## Silkscreen, mask and mechanical layers (free items; w line width, h text height)
Top Overlay:
  circle w0.79: c121.95,122.39 r62.99
  circle w0.79: c16885.28,121.95 r62.99
  circle w0.79: c16885.92,11337.11 r62.99
  circle w0.79: c122.59,11337.75 r62.99
Bottom Overlay:
  circle w0.79: c122.05,122.39 r62.99
  circle w0.79: c16885.28,121.95 r62.99
  circle w0.79: c16885.92,11337.31 r62.99
  circle w0.79: c122.69,11337.75 r62.99
Top Solder:
  drawing of 480 lines, arcs and shapes, not listed
Mechanical 1:
  lines w0.5: 157.08,524.59 157.08,540.34 ; 157.08,1587.58 157.08,1603.33 ; 157.08,2650.58 157.08,2666.32 ; 157.08,3713.57 157.08,3729.32 ; 157.08,4776.56 157.08,4792.31 ; 157.08,5839.55 157.08,5855.3 ; 157.08,6902.54 157.08,6918.29 ; 157.08,7965.54 157.08,7981.28 ; 157.08,9028.53 157.08,9044.28 ; 157.08,10091.52 157.08,10107.27 ; 522.09,10491.88 537.84,10491.88 ; 522.09,10507.63 537.84,10507.63
Mechanical 2:
  drawing of 3209 lines, arcs and shapes, not listed
Mechanical 3:
  drawing of 322 lines, arcs and shapes, not listed
Mechanical 4:
  drawing of 222 lines, arcs and shapes, not listed